# Altium PCB ZYNQ-7000_SOM_Bd.PcbDoc (part 1 of 6) (continued)
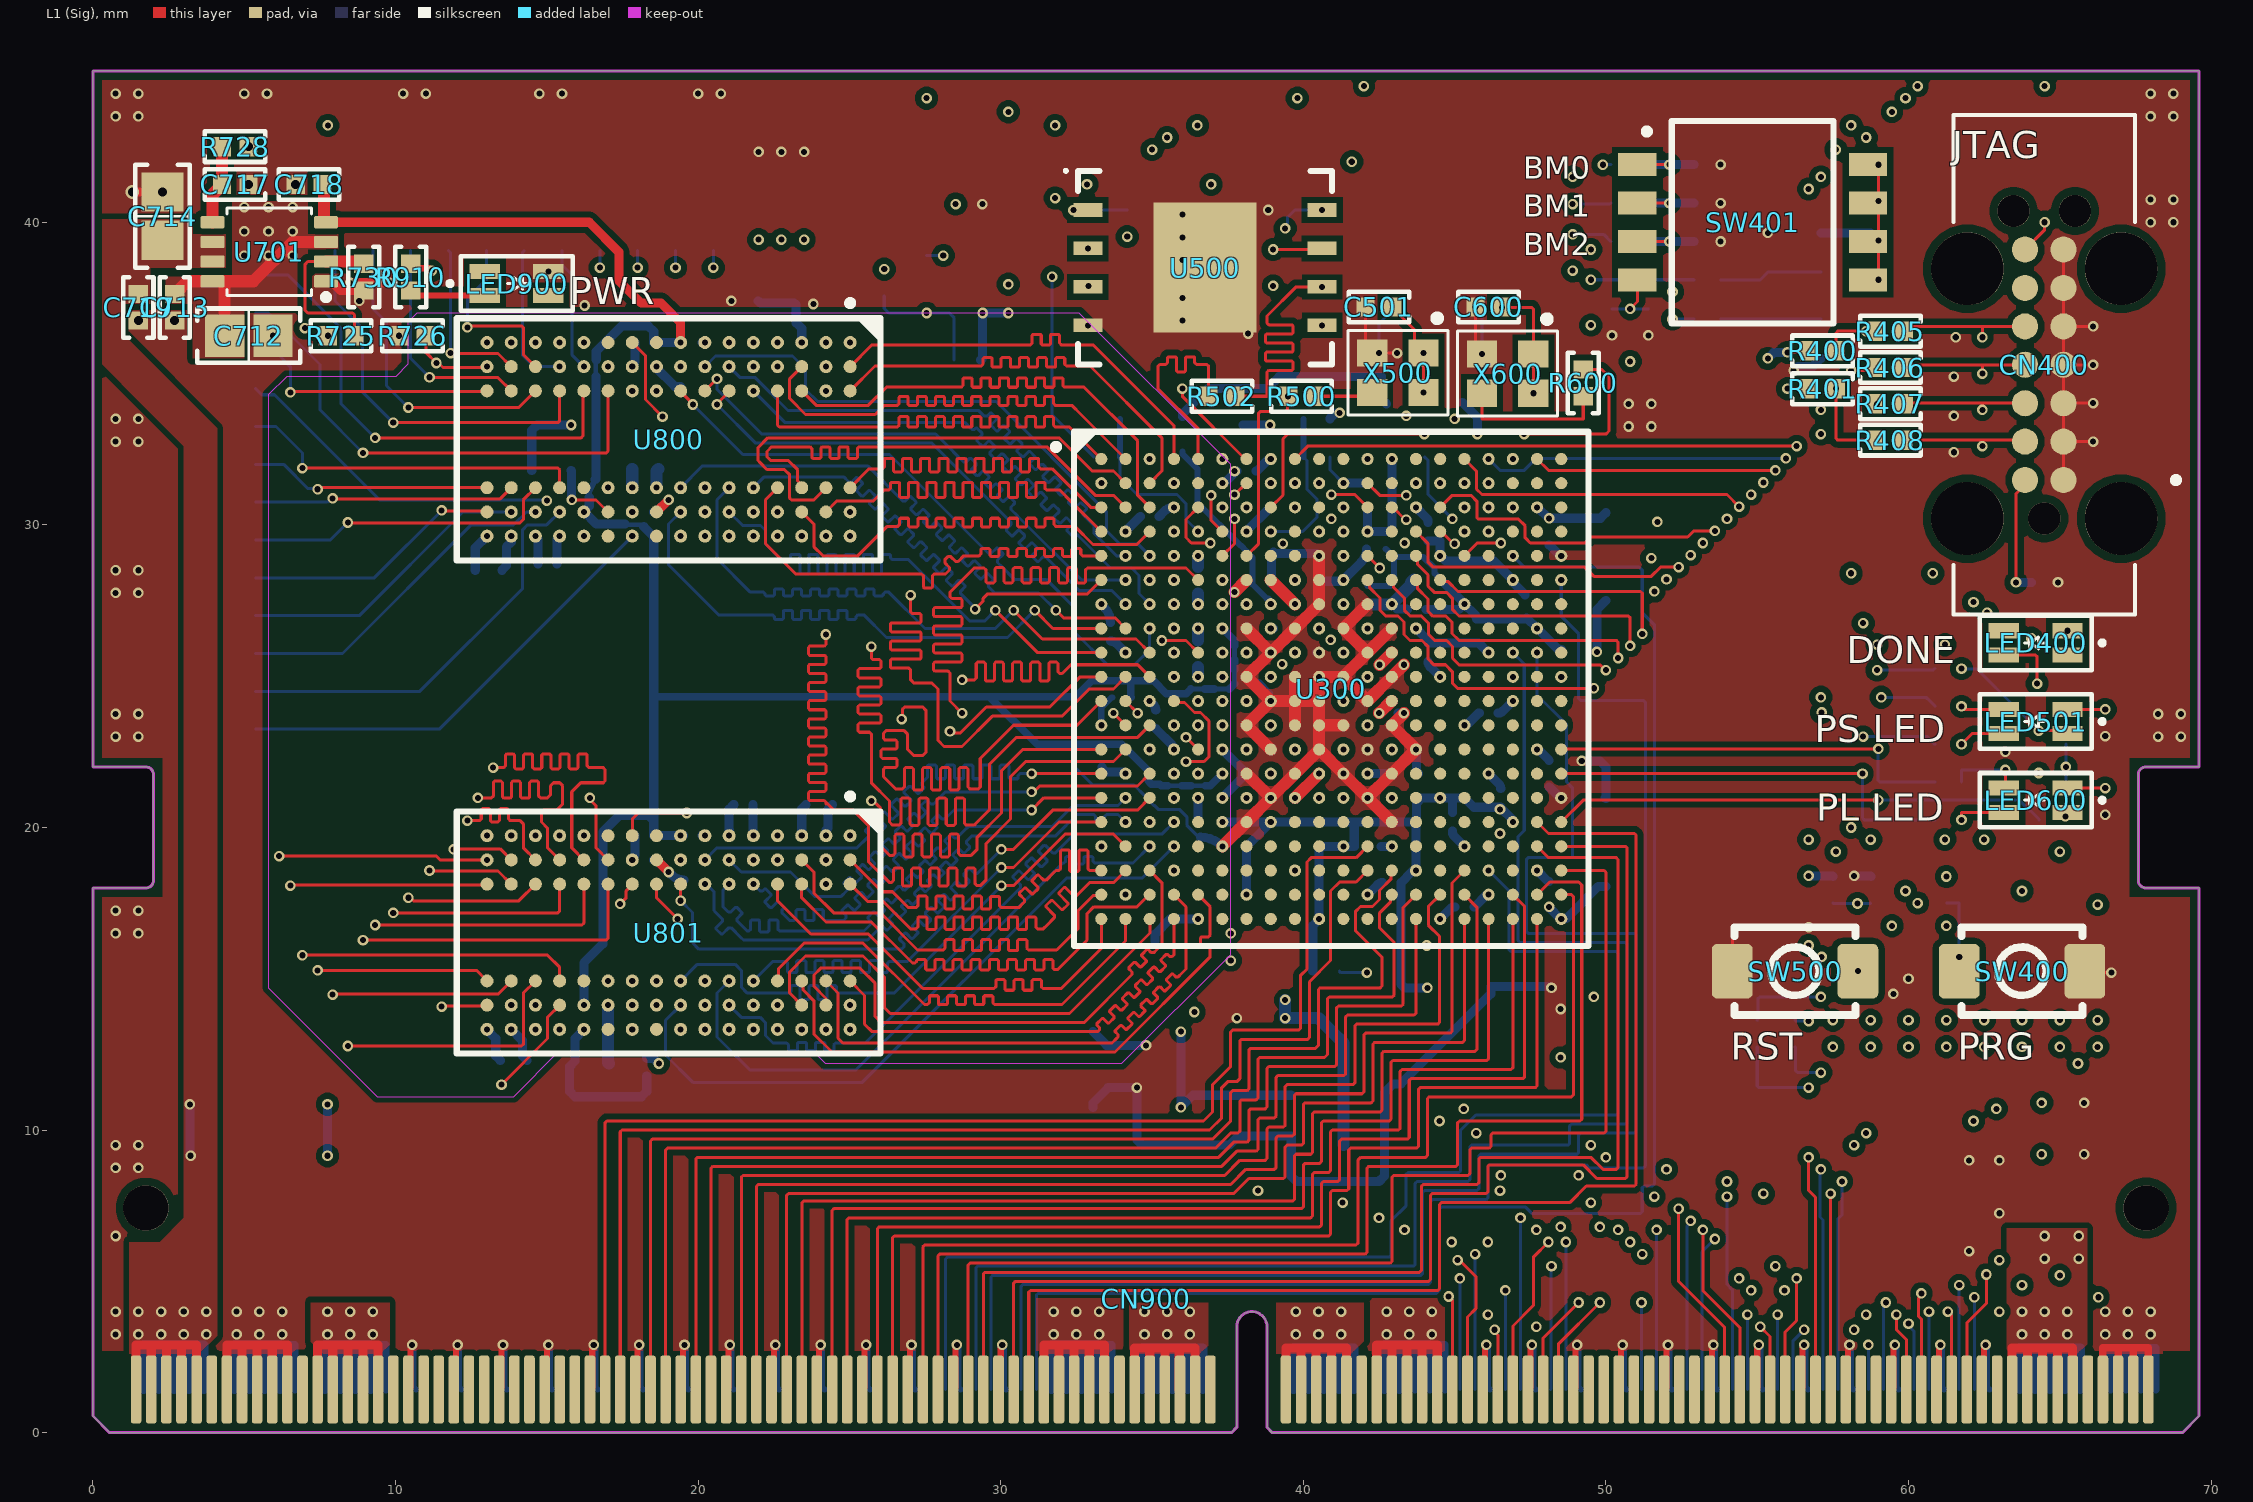
[diagram p0: L1 (Sig) view]
## Classes and differential pairs
differential pair class DIFF_DDR_DQS3: DDR_DQS3
differential pair class DIFF_DDR_DQS2: DDR_DQS2
differential pair class DIFF_DDR_DQS1: DDR_DQS1
differential pair class DIFF_DDR_DQS0: DDR_DQS0
differential pair class DIFF_DDR_CK: DDR_CK
net class QSPI: FLASH_CLK_BM4 PS_QSPI_CLK PS_QSPI_DQ0_BM3 PS_QSPI_DQ1_BM1 PS_QSPI_DQ2_BM2 PS_QSPI_DQ3_BM0 PS_QSPI_NCS
net class PL_B35: PL_B35_L5_P PL_B35_L10_N PL_B35_L14_P PL_B35_L15_N PL_CLK_50MHZ
net class PL_B34: NPUDC PL_B34_IO_25 PL_B34_L2_N PL_B34_L3_N PL_B34_L4_N PL_B34_L4_P PL_B34_L7_N PL_B34_L7_P PL_B34_L8_N PL_B34_L8_P PL_B34_L10_N PL_B34_L12_N PL_B34_L15_N PL_B34_L16_N PL_B34_L16_P PL_B34_L17_N PL_B34_L17_P PL_B34_L18_N PL_B34_L18_P PL_B34_L21_P PL_B34_L22_N PL_B34_L22_P PL_USER_LED_BLUE PL_USER_LED_GREEN PL_USER_LED_RED
net class DDR_BL3: DDR_DM3 DDR_DQ24 DDR_DQ25 DDR_DQ26 DDR_DQ27 DDR_DQ28 DDR_DQ29 DDR_DQ30 DDR_DQ31 DDR_DQS3_N DDR_DQS3_P
net class DDR_BL2: DDR_DM2 DDR_DQ16 DDR_DQ17 DDR_DQ18 DDR_DQ19 DDR_DQ20 DDR_DQ21 DDR_DQ22 DDR_DQ23 DDR_DQS2_N DDR_DQS2_P
net class DDR_BL1: DDR_DM1 DDR_DQ8 DDR_DQ9 DDR_DQ10 DDR_DQ11 DDR_DQ12 DDR_DQ13 DDR_DQ14 DDR_DQ15 DDR_DQS1_N DDR_DQS1_P
net class DDR_BL0: DDR_DM0 DDR_DQ0 DDR_DQ1 DDR_DQ2 DDR_DQ3 DDR_DQ4 DDR_DQ5 DDR_DQ6 DDR_DQ7 DDR_DQS0_N DDR_DQS0_P
net class DDR_ACC: DDR_A0 DDR_A1 DDR_A2 DDR_A3 DDR_A4 DDR_A5 DDR_A6 DDR_A7 DDR_A8 DDR_A9 DDR_A10 DDR_A11 DDR_A12 DDR_A13 DDR_A14 DDR_BA0 DDR_BA1 DDR_BA2 DDR_CK_N DDR_CK_P DDR_CKE DDR_NCAS DDR_NCS DDR_NRAS DDR_NRST DDR_NWE DDR_ODT
differential pair DDR_DQS3: +DDR_DQS3_P -DDR_DQS3_N
differential pair DDR_DQS2: +DDR_DQS2_P -DDR_DQS2_N
differential pair DDR_DQS1: +DDR_DQS1_P -DDR_DQS1_N
differential pair DDR_DQS0: +DDR_DQS0_P -DDR_DQS0_N
differential pair DDR_CK: +DDR_CK_P -DDR_CK_N

## Components (designator, comment, footprint, x,y, rotation, side; value= is the part's Value field where it differs from the comment)
C300 "470nF/6.3V/0603" "CAP 0603 (0201_INCH)" 38.923,27.777 r270 bottom
C301 "4.7uF/10V/1005" "CAP 1005 (0402_INCH)" 38.575,29.1 r180 bottom
C302 "470nF/6.3V/0603" "CAP 0603 (0201_INCH)" 42.4,29.2 r180 bottom
C303 "470nF/6.3V/0603" "CAP 0603 (0201_INCH)" 40.123,25.777 r180 bottom
C304 "100uF/6.3V/3216" "CAP 3216 (1206_INCH) - H1.8MM" 34.5,13.25 r0 bottom
C305 "4.7uF/10V/1005" "CAP 1005 (0402_INCH)" 38.923,21.337 r90 bottom
C306 "470nF/6.3V/0603" "CAP 0603 (0201_INCH)" 42.123,27.667 r270 bottom
C307 "470nF/6.3V/0603" "CAP 0603 (0201_INCH)" 38.123,26.977 r90 bottom
C308 "470nF/6.3V/0603" "CAP 0603 (0201_INCH)" 41.323,25.377 r90 bottom
C309 "4.7uF/10V/1005" "CAP 1005 (0402_INCH)" 40.523,22.217 r270 bottom
C310 "100uF/6.3V/3216" "CAP 3216 (1206_INCH) - H1.8MM" 39.5,13.25 r0 bottom
C311 "100uF/6.3V/3216" "CAP 3216 (1206_INCH) - H1.8MM" 34.5,10.75 r0 bottom
C312 "4.7uF/10V/1005" "CAP 1005 (0402_INCH)" 43.363,21.777 r180 bottom
C313 "470nF/6.3V/0603" "CAP 0603 (0201_INCH)" 38.275,24.6 r270 bottom
C314 "470nF/6.3V/0603" "CAP 0603 (0201_INCH)" 42.833,25.377 r180 bottom
C315 "470nF/6.3V/0603" "CAP 0603 (0201_INCH)" 42.813,23.777 r180 bottom
C316 "470nF/6.3V/0603" "CAP 0603 (0201_INCH)" 39.323,26.577 r180 bottom
C317 "4.7uF/10V/1005" "CAP 1005 (0402_INCH)" 40.523,28.577 r270 bottom
C318 "100uF/6.3V/3216" "CAP 3216 (1206_INCH) - H1.8MM" 42.75,35.45 r270 bottom
C319 "470nF/6.3V/0603" "CAP 0603 (0201_INCH)" 33.623,26.467 r90 bottom
C320 "470nF/6.3V/0603" "CAP 0603 (0201_INCH)" 35.123,23.577 r90 bottom
C321 "470nF/6.3V/0603" "CAP 0603 (0201_INCH)" 34.923,30.277 r180 bottom
C322 "470nF/6.3V/0603" "CAP 0603 (0201_INCH)" 36.523,19.987 r90 bottom
C323 "4.7uF/10V/1005" "CAP 1005 (0402_INCH)" 32.9,22 r0 bottom
C324 "100uF/6.3V/3216" "CAP 3216 (1206_INCH) - H1.8MM" 38,34.75 r270 bottom
C325 "100uF/6.3V/3216" "CAP 3216 (1206_INCH) - H1.8MM" 50,19.5 r270 bottom
C326 "4.7uF/10V/1005" "CAP 1005 (0402_INCH)" 39.323,30.577 r180 bottom
C327 "470nF/6.3V/0603" "CAP 0603 (0201_INCH)" 38.123,31.777 r180 bottom
C328 "470nF/6.3V/0603" "CAP 0603 (0201_INCH)" 43.75,27.2 r180 bottom
C329 "4.7uF/10V/1005" "CAP 1005 (0402_INCH)" 44.1,28.2 r180 bottom
C330 "100uF/6.3V/3216" "CAP 3216 (1206_INCH) - H1.8MM" 36.55,16.25 r0 bottom
C331 "100uF/6.3V/3216" "CAP 3216 (1206_INCH) - H1.8MM" 45.25,35.5 r270 bottom
C332 "4.7uF/10V/1005" "CAP 1005 (0402_INCH)" 42.123,30.937 r270 bottom
C333 "470nF/6.3V/0603" "CAP 0603 (0201_INCH)" 44.123,29.777 r270 bottom
C334 "100uF/6.3V/3216" "CAP 3216 (1206_INCH) - H1.8MM" 44.75,14.75 r180 bottom
C335 "100uF/6.3V/3216" "CAP 3216 (1206_INCH) - H1.8MM" 22.75,40.875 r270 bottom
C336 "4.7uF/10V/1005" "CAP 1005 (0402_INCH)" 48.123,21.777 r90 bottom
C337 "4.7uF/10V/1005" "CAP 1005 (0402_INCH)" 48.123,17.777 r270 bottom
C338 "470nF/6.3V/0603" "CAP 0603 (0201_INCH)" 45.323,17.377 r0 bottom
C339 "470nF/6.3V/0603" "CAP 0603 (0201_INCH)" 42.923,18.177 r0 bottom
C340 "470nF/6.3V/0603" "CAP 0603 (0201_INCH)" 46.523,20.977 r270 bottom
C341 "470nF/6.3V/0603" "CAP 0603 (0201_INCH)" 44.923,20.187 r90 bottom
C342 "470nF/6.3V/0603" "CAP 0603 (0201_INCH)" 44.123,25.787 r90 bottom
C343 "470nF/6.3V/0603" "CAP 0603 (0201_INCH)" 46.123,23.777 r180 bottom
C344 "470nF/6.3V/0603" "CAP 0603 (0201_INCH)" 45.723,26.577 r270 bottom
C345 "470nF/6.3V/0603" "CAP 0603 (0201_INCH)" 47.323,27.367 r90 bottom
C346 "4.7uF/10V/1005" "CAP 1005 (0402_INCH)" 48.523,25.437 r270 bottom
C347 "4.7uF/10V/1005" "CAP 1005 (0402_INCH)" 48.123,29.777 r90 bottom
C348 "100uF/6.3V/3216" "CAP 3216 (1206_INCH) - H1.8MM" 50,28.95 r90 bottom
C400 "100nF/16V/1005" "CAP 1005 (0402_INCH)" 64.5,28.1 r180 bottom
C401 "100nF/16V/1005" "CAP 1005 (0402_INCH)" 50.2,36.7 r90 bottom
C500 "100nF/16V/1005" "CAP 1005 (0402_INCH)" 39.28,40.405 r180 bottom
C501 "100nF/16V/1005" "CAP 1005 (0402_INCH)" 42.498,37.2 r180 top
C502 "100nF/16V/1005" "CAP 1005 (0402_INCH)" 28.95,40.6 r0 bottom
C503 "100nF/16V/1005" "CAP 1005 (0402_INCH)" 58.75,17.94 r90 bottom
C504 "100nF/16V/1005" "CAP 1005 (0402_INCH)" 28.9,35.45 r0 bottom
C505 "4.7uF/10V/1005" "CAP 1005 (0402_INCH)" 66.5,23.46 r90 bottom
C600 "100nF/16V/1005" "CAP 1005 (0402_INCH)" 46.125,37.2 r180 top
C601 "4.7uF/10V/1005" "CAP 1005 (0402_INCH)" 66.5,20.86 r90 bottom
C700 "47nF/16V/0603" "CAP 0603 (0201_INCH)" 20.5,41.76 r270 bottom
C701 "47nF/16V/0603" "CAP 0603 (0201_INCH)" 11.1,41.76 r270 bottom
C702 "47nF/16V/0603" "CAP 0603 (0201_INCH)" 2.63,35.75 r0 bottom
C703 "47nF/16V/0603" "CAP 0603 (0201_INCH)" 2.63,28.25 r0 bottom
C704 "470nF/6.3V/0603" "CAP 0603 (0201_INCH)" 17.3,41.76 r270 bottom
C705 "470nF/6.3V/0603" "CAP 0603 (0201_INCH)" 8,41.76 r270 bottom
C706 "470nF/6.3V/0603" "CAP 0603 (0201_INCH)" 2.63,33.25 r0 bottom
C707 "470nF/6.3V/0603" "CAP 0603 (0201_INCH)" 2.63,25.75 r0 bottom
C708 "4.7uF/10V/1005" "CAP 1005 (0402_INCH)" 14.25,41.89 r270 bottom
C709 "4.7uF/10V/1005" "CAP 1005 (0402_INCH)" 2.5,38.25 r0 bottom
C710 "4.7uF/10V/1005" "CAP 1005 (0402_INCH)" 2.5,30.75 r0 bottom
C711 "4.7uF/10V/1005" "CAP 1005 (0402_INCH)" 2.5,23.25 r0 bottom
C712 "22uF/25V/2012" "CAP 2012 (0805_INCH)" 5.15,36.25 r180 top
C713 "4.7uF/10V/1005" "CAP 1005 (0402_INCH)" 2.7,37.19 r90 top
C714 "22uF/25V/2012" "CAP 2012 (0805_INCH)" 2.3,40.2 r270 top
C715 "47nF/16V/0603" "CAP 0603 (0201_INCH)" 34,24.3 r0 bottom
C716 "47nF/16V/0603" "CAP 0603 (0201_INCH)" 34.923,21.19 r90 bottom
C717 "4.7uF/10V/1005" "CAP 1005 (0402_INCH)" 4.7,41.25 r180 top
C718 "4.7uF/10V/1005" "CAP 1005 (0402_INCH)" 7.14,41.25 r0 top
C719 "4.7uF/10V/1005" "CAP 1005 (0402_INCH)" 1.5,37.19 r270 top
C800 "47nF/16V/0603" "CAP 0603 (0201_INCH)" 18.223,36.027 r180 bottom
C801 "47nF/16V/0603" "CAP 0603 (0201_INCH)" 19.823,36.027 r180 bottom
C802 "4.7uF/10V/1005" "CAP 1005 (0402_INCH)" 13.073,28.5 r0 bottom
C803 "470nF/6.3V/0603" "CAP 0603 (0201_INCH)" 15.023,28.7 r0 bottom
C804 "47nF/16V/0603" "CAP 0603 (0201_INCH)" 24.223,34.827 r90 bottom
C805 "47nF/16V/0603" "CAP 0603 (0201_INCH)" 22.623,30.027 r270 bottom
C806 "47nF/16V/0603" "CAP 0603 (0201_INCH)" 20.223,30.827 r90 bottom
C807 "47nF/16V/0603" "CAP 0603 (0201_INCH)" 18.223,35.227 r180 bottom
C808 "47nF/16V/0603" "CAP 0603 (0201_INCH)" 18.223,30.427 r180 bottom
C809 "47nF/16V/0603" "CAP 0603 (0201_INCH)" 15.023,36.027 r0 bottom
C810 "47nF/16V/0603" "CAP 0603 (0201_INCH)" 15.023,29.627 r0 bottom
C811 "47nF/16V/0603" "CAP 0603 (0201_INCH)" 13.423,36.027 r0 bottom
C812 "47nF/16V/0603" "CAP 0603 (0201_INCH)" 13.423,29.627 r0 bottom
C813 "4.7uF/10V/1005" "CAP 1005 (0402_INCH)" 21.54,37.4 r0 bottom
C814 "470nF/6.3V/0603" "CAP 0603 (0201_INCH)" 23.5,37.3 r180 bottom
C815 "47nF/16V/0603" "CAP 0603 (0201_INCH)" 24.623,36.027 r0 bottom
C816 "47nF/16V/0603" "CAP 0603 (0201_INCH)" 25.023,30.027 r90 bottom
C817 "47nF/16V/0603" "CAP 0603 (0201_INCH)" 23.023,36.027 r0 bottom
C818 "47nF/16V/0603" "CAP 0603 (0201_INCH)" 23.823,29.627 r180 bottom
C819 "47nF/16V/0603" "CAP 0603 (0201_INCH)" 22.223,35.227 r0 bottom
C820 "47nF/16V/0603" "CAP 0603 (0201_INCH)" 21.423,29.627 r0 bottom
C821 "47nF/16V/0603" "CAP 0603 (0201_INCH)" 21.423,36.027 r180 bottom
C822 "47nF/16V/0603" "CAP 0603 (0201_INCH)" 19.423,34.877 r90 bottom
C823 "47nF/16V/0603" "CAP 0603 (0201_INCH)" 19.823,29.627 r180 bottom
C824 "47nF/16V/0603" "CAP 0603 (0201_INCH)" 18.223,19.727 r180 bottom
C825 "47nF/16V/0603" "CAP 0603 (0201_INCH)" 19.823,19.727 r180 bottom
C826 "4.7uF/10V/1005" "CAP 1005 (0402_INCH)" 13.9,12.3 r0 bottom
C827 "470nF/6.3V/0603" "CAP 0603 (0201_INCH)" 18.3,12.1 r90 bottom
C828 "47nF/16V/0603" "CAP 0603 (0201_INCH)" 24.223,18.512 r90 bottom
C829 "47nF/16V/0603" "CAP 0603 (0201_INCH)" 22.623,13.727 r270 bottom
C830 "47nF/16V/0603" "CAP 0603 (0201_INCH)" 20.223,14.527 r90 bottom
C831 "47nF/16V/0603" "CAP 0603 (0201_INCH)" 18.223,18.927 r180 bottom
C832 "47nF/16V/0603" "CAP 0603 (0201_INCH)" 18.213,14.127 r180 bottom
C833 "47nF/16V/0603" "CAP 0603 (0201_INCH)" 15.023,19.727 r0 bottom
C834 "47nF/16V/0603" "CAP 0603 (0201_INCH)" 15.013,13.327 r0 bottom
C835 "47nF/16V/0603" "CAP 0603 (0201_INCH)" 13.423,19.727 r0 bottom
C836 "47nF/16V/0603" "CAP 0603 (0201_INCH)" 13.423,13.327 r0 bottom
C837 "4.7uF/10V/1005" "CAP 1005 (0402_INCH)" 24,20.75 r180 bottom
C838 "470nF/6.3V/0603" "CAP 0603 (0201_INCH)" 21.5,20.75 r180 bottom
C839 "47nF/16V/0603" "CAP 0603 (0201_INCH)" 24.623,19.727 r0 bottom
C840 "47nF/16V/0603" "CAP 0603 (0201_INCH)" 25.023,13.717 r90 bottom
C841 "47nF/16V/0603" "CAP 0603 (0201_INCH)" 23.023,19.727 r0 bottom
C842 "47nF/16V/0603" "CAP 0603 (0201_INCH)" 23.823,13.327 r180 bottom
C843 "47nF/16V/0603" "CAP 0603 (0201_INCH)" 22.223,18.927 r0 bottom
C844 "47nF/16V/0603" "CAP 0603 (0201_INCH)" 21.423,13.327 r0 bottom
C845 "47nF/16V/0603" "CAP 0603 (0201_INCH)" 21.398,19.727 r180 bottom
C846 "47nF/16V/0603" "CAP 0603 (0201_INCH)" 19.523,18.577 r90 bottom
C847 "47nF/16V/0603" "CAP 0603 (0201_INCH)" 19.823,13.327 r180 bottom
C901 "100nF/50V/1608" "CAP 1608 (0603_INCH)" 3.875,10.85 r180 bottom
C903 "100nF/50V/1608" "CAP 1608 (0603_INCH)" 65.325,10.85 r180 bottom
C905 "100nF/50V/1608" "CAP 1608 (0603_INCH)" 42,11.175 r180 bottom
C907 "100nF/50V/1608" "CAP 1608 (0603_INCH)" 7.075,9.15 r0 bottom
C908 "10uF/25V/1608" "CAP 1608 (0603_INCH)" 3.9,9.15 r180 bottom
C909 "10uF/25V/1608" "CAP 1608 (0603_INCH)" 65.325,9.15 r180 bottom
C910 "10uF/25V/1608" "CAP 1608 (0603_INCH)" 42,9.5 r180 bottom
C911 "10uF/25V/1608" "CAP 1608 (0603_INCH)" 7.075,10.85 r0 bottom
C913 "100nF/50V/1608" "CAP 1608 (0603_INCH)" 39.6,10.475 r90 bottom
C914 "10uF/25V/1608" "CAP 1608 (0603_INCH)" 37.9,10.475 r90 bottom
CN400 "TC2070-IDC" CON_TC2070-IDC 64.485,35.29 r90 top locked
CN900 "EDGE-CONNECTOR_SODIMM-260P" CON_EDGE-CONNECTOR_DDR4-SODIMM-260P 1.425,1.425 r0 top locked
ESD400 "CG0402MLU-3.3G" "RES 1005 (0402_inch)" 62,36.2 r0 bottom
ESD401 "CG0402MLU-3.3G" "RES 1005 (0402_inch)" 62,35 r0 bottom
ESD402 "CG0402MLU-3.3G" "RES 1005 (0402_inch)" 62,33.8 r0 bottom
ESD403 "CG0402MLU-3.3G" "RES 1005 (0402_inch)" 62,32.6 r0 bottom
FB300 "BLM15PX121SN1D" "FB 1005 (0402_inch)" 36,33 r90 bottom
LED400 "GREEN/2012" "LED MHT170RGBCT (GREEN)" 64.2,26.1 r180 top
LED501 "RGB/2012" "LED MHT170RGBCT" 64.2,23.5 r180 top
LED600 "RGB/2012" "LED MHT170RGBCT" 64.2,20.9 r180 top
LED900 "GREEN/2012" "LED MHT170RGBCT (GREEN)" 14,37.975 r0 top
Q400 "2N7002" "SOT 23-3 (DIODES INCORPORATED)" 64.25,23.75 r90 bottom
R400 "4.7K/1005" "RES 1005 (0402_inch)" 57.16,35.75 r180 top value=4.7K
R401 "4.7K/1005" "RES 1005 (0402_inch)" 57.16,34.5 r180 top value=4.7K
R402 "4.7K/1005" "RES 1005 (0402_inch)" 64.75,21.5 r180 bottom value=4.7K
R403 "4.7K/1005" "RES 1005 (0402_inch)" 40.75,15.25 r180 bottom value=4.7K
R404 "4.7K/1005" "RES 1005 (0402_inch)" 61.25,17.94 r90 bottom value=4.7K
R405 "22R/1005" "RES 1005 (0402_inch)" 59.4,36.4 r0 top value=22R
R406 "22R/1005" "RES 1005 (0402_inch)" 59.4,35.2 r0 top value=22R
R407 "22R/1005" "RES 1005 (0402_inch)" 59.4,34 r0 top value=22R
R408 "22R/1005" "RES 1005 (0402_inch)" 59.4,32.8 r0 top value=22R
R409 "510R/1005" "RES 1005 (0402_inch)" 64.5,26.25 r180 bottom value=510R
R410 "0R/1608/NC" "RES 1608 (0603_inch)/NC" 57.1,39 r90 bottom value=0R
R411 "0R/1608/NC" "RES 1608 (0603_inch)/NC" 55.35,36.15 r270 bottom value=0R
R412 "20K/1005" "RES 1005 (0402_inch)" 50.6,41.905 r0 bottom value=20K
R413 "20K/1005" "RES 1005 (0402_inch)" 53.35,38.095 r0 bottom value=20K
R414 "20K/1005" "RES 1005 (0402_inch)" 53.35,36.8 r0 bottom value=20K
R415 "20K/1005" "RES 1005 (0402_inch)" 50.6,40.635 r0 bottom value=20K
R416 "20K/1005" "RES 1005 (0402_inch)" 50.6,39.365 r0 bottom value=20K
R417 "1K/1608" "RES 1608 (0603_inch)" 55.35,39 r270 bottom value=1K
R418 "1K/1608" "RES 1608 (0603_inch)" 57.1,36.15 r90 bottom value=1K
R419 "1K/1005" "RES 1005 (0402_inch)" 53.35,41.905 r180 bottom value=1K
R420 "1K/1005" "RES 1005 (0402_inch)" 53.35,40.635 r180 bottom value=1K
R421 "1K/1005" "RES 1005 (0402_inch)" 53.35,39.365 r180 bottom value=1K
R422 "12K/1005" "RES 1005 (0402_inch)" 51.4,36.7 r90 bottom value=12K
R500 "22R/1005" "RES 1005 (0402_inch)" 39.94,34.25 r180 top value=22R
R501 "12K/1005" "RES 1005 (0402_inch)" 34.18,39.965 r270 bottom value=12K
R502 "22R/1005" "RES 1005 (0402_inch)" 37.31,34.25 r0 top value=22R
R503 "120R/1005" "RES 1005 (0402_inch)" 51.7,29.44 r90 bottom value=120R
R504 "12K/1005" "RES 1005 (0402_inch)" 57.5,17.94 r90 bottom value=12K
R505 "4.7K/1005" "RES 1005 (0402_inch)" 26.15,38.01 r90 bottom value=4.7K
R508 "470R/1005" "RES 1005 (0402_inch)" 61.31,24 r180 bottom value=470R
R509 "0R/1005/NC" "RES 1005 (0402_inch)/NC" 44.44,32.25 r0 bottom value=0R
R510 "470R/1005" "RES 1005 (0402_inch)" 61.31,22.75 r180 bottom value=470R
R511 "20K/1005/NC" "RES 1005 (0402_inch)/NC" 40.44,33.5 r0 bottom value=20K
R512 "470R/1005" "RES 1005 (0402_inch)" 61.31,25.25 r180 bottom value=470R
R513 "20K/1005" "RES 1005 (0402_inch)" 40.44,32.25 r0 bottom value=20K
R514 "20K/1005/NC" "RES 1005 (0402_inch)/NC" 33.5,32.25 r180 bottom value=20K
R515 "20K/1005" "RES 1005 (0402_inch)" 33.5,33.5 r180 bottom value=20K
R600 "22R/1005" "RES 1005 (0402_inch)" 49.25,34.69 r90 top value=22R
R601 "470R/1005" "RES 1005 (0402_inch)" 61.31,21.5 r180 bottom value=470R
R602 "470R/1005" "RES 1005 (0402_inch)" 61.31,20.25 r180 bottom value=470R
R603 "470R/1005" "RES 1005 (0402_inch)" 64.75,20.25 r180 bottom value=470R
R604 "1K/1005" "RES 1005 (0402_inch)" 42.123,19.377 r180 bottom value=1K
R700 "100R/1005" "RES 1005 (0402_inch)" 18.25,31.85 r0 bottom value=100R
R701 "49.9R/1005" "RES 1005 (0402_inch)" 4.94,23.25 r180 bottom value=49.9R
R702 "49.9R/1005" "RES 1005 (0402_inch)" 16.75,39.5 r90 bottom value=49.9R
R703 "49.9R/1005" "RES 1005 (0402_inch)" 20.5,39.5 r90 bottom value=49.9R
R704 "49.9R/1005" "RES 1005 (0402_inch)" 18,39.5 r90 bottom value=49.9R
R705 "49.9R/1005" "RES 1005 (0402_inch)" 4.94,37 r180 bottom value=49.9R
R706 "49.9R/1005" "RES 1005 (0402_inch)" 15.5,39.5 r90 bottom value=49.9R
R707 "49.9R/1005" "RES 1005 (0402_inch)" 4.94,24.5 r180 bottom value=49.9R
R708 "49.9R/1005" "RES 1005 (0402_inch)" 4.94,38.25 r180 bottom value=49.9R
R709 "49.9R/1005" "RES 1005 (0402_inch)" 8,39.5 r90 bottom value=49.9R
R710 "49.9R/1005" "RES 1005 (0402_inch)" 4.94,29.5 r180 bottom value=49.9R
R711 "49.9R/1005" "RES 1005 (0402_inch)" 9.25,39.5 r90 bottom value=49.9R
R712 "49.9R/1005" "RES 1005 (0402_inch)" 14.25,39.5 r90 bottom value=49.9R
R713 "49.9R/1005" "RES 1005 (0402_inch)" 4.94,25.75 r180 bottom value=49.9R
R714 "49.9R/1005" "RES 1005 (0402_inch)" 13,39.5 r90 bottom value=49.9R
R715 "49.9R/1005" "RES 1005 (0402_inch)" 4.94,27 r180 bottom value=49.9R
R716 "49.9R/1005" "RES 1005 (0402_inch)" 11.75,39.5 r90 bottom value=49.9R
R717 "49.9R/1005" "RES 1005 (0402_inch)" 4.94,28.25 r180 bottom value=49.9R
R718 "49.9R/1005" "RES 1005 (0402_inch)" 10.5,39.5 r90 bottom value=49.9R
R719 "49.9R/1005" "RES 1005 (0402_inch)" 4.94,34.5 r180 bottom value=49.9R
R720 "49.9R/1005" "RES 1005 (0402_inch)" 4.94,30.75 r180 bottom value=49.9R
R721 "49.9R/1005" "RES 1005 (0402_inch)" 4.94,33.25 r180 bottom value=49.9R
R722 "49.9R/1005" "RES 1005 (0402_inch)" 4.94,35.75 r180 bottom value=49.9R
R723 "49.9R/1005" "RES 1005 (0402_inch)" 4.94,32 r180 bottom value=49.9R
R724 "49.9R/1005" "RES 1005 (0402_inch)" 19.25,39.5 r90 bottom value=49.9R
R725 "12K/1005" "RES 1005 (0402_inch)" 8.2,36.25 r180 top value=12K
R726 "4.7K/1005" "RES 1005 (0402_inch)" 10.56,36.25 r0 top value=4.7K
R727 "100R/1005" "RES 1005 (0402_inch)" 36.523,28.177 r90 bottom value=100R
R728 "1K/1005" "RES 1005 (0402_inch)" 4.7,42.5 r180 top value=1K
R729 "100R/1005" "RES 1005 (0402_inch)" 36.523,25.737 r90 bottom value=100R
R730 "100K/1005" "RES 1005 (0402_inch)" 8.95,38.19 r90 top value=100K
R800 "240R/1608" "RES 1608 (0603_inch)" 15.15,31.8 r0 bottom value=240R
R801 "240R/1608" "RES 1608 (0603_inch)" 16.4,12.1 r0 bottom value=240R
R900 "0R/1005" "RES 1005 (0402_inch)" 61.25,13.19 r270 bottom value=0R
R901 "0R/1005" "RES 1005 (0402_inch)" 57.5,13.19 r270 bottom value=0R
R902 "0R/1005" "RES 1005 (0402_inch)" 60,13.19 r270 bottom value=0R
R903 "0R/1005" "RES 1005 (0402_inch)" 62.5,13.19 r270 bottom value=0R
R904 "0R/1005" "RES 1005 (0402_inch)" 65,13.19 r270 bottom value=0R
R905 "0R/1005" "RES 1005 (0402_inch)" 63.75,13.19 r270 bottom value=0R
R906 "0R/1005" "RES 1005 (0402_inch)" 66.25,13.19 r270 bottom value=0R
R907 "0R/1005" "RES 1005 (0402_inch)" 55,13.19 r270 bottom value=0R
R908 "0R/1005" "RES 1005 (0402_inch)" 56.25,13.19 r270 bottom value=0R
R909 "0R/1005" "RES 1005 (0402_inch)" 58.75,13.19 r270 bottom value=0R
R910 "510R/1005" "RES 1005 (0402_inch)" 10.5,38.19 r90 top value=510R
SW400 "TS-1088-AR02016" SW_TS-1088-AR02016 63.75,15.25 r0 top locked
SW401 "DSHP04TS-S" SW_DSHP04TS-S 54.85,40 r270 top locked
SW500 "TS-1088-AR02016" SW_TS-1088-AR02016 56.25,15.25 r180 top locked
U300 "XC7Z010-1CLG400I" IC_SOC_XC7Z010-1CLG400I 40.923,24.577 r0 top locked
U500 "W25Q128JVEIQ" IC_WSON-8-8X6 36.75,38.5 r0 top locked
U502 "SN74LVC1G07DBVT" "SOT-23-5 (TI DBV PACKAGE)" 28.9,37.95 r180 bottom locked
U701 "BD3539FVM-TR" IC_MSOP-8 5.825,39.025 r180 top locked
U800 "MT41K256M16TW-107 IT:P" "IC_MEM_DDR3L_MT41K256M16TW-107 IT:P" 19.023,32.827 r270 top locked
U801 "MT41K256M16TW-107 IT:P" "IC_MEM_DDR3L_MT41K256M16TW-107 IT:P" 19.023,16.527 r270 top locked
X500 "S2D33.333300B20F30T(33.33MHz)" "OSC SMD_2.5x2.0 (SCTF)" 43.123,35.027 r180 top locked
X600 "S2D50.000000B20F30T(50MHz)" "OSC SMD_2.5x2.0 (SCTF)" 46.75,35 r180 top locked

## Footprints (in the part's own frame and the unit in brackets; to place one, negate y for a bottom-side part, rotate by r counter-clockwise, add the part's x,y. Pads: shape width x height; smd on the part's side, far side on the other; paste and mask are expansions set on the pad)
"CAP 0603 (0201_INCH)" [mm] "Chip Capacitor, 2-Leads, Body 0.60x0.30mm, IPC Medium Density"
  rect 0.4x0.35 smd mask+0.04: 1(-0.31,0) 2(0.31,0)
  silkscreen extent -0.67,-0.33 0.67,0.33, body extent -0.3,-0.15 0.3,0.15, height 0.3
"CAP 1005 (0402_INCH)" [mm] "Chip Capacitor, 2-Leads, Body 1.02x0.51mm, IPC Medium Density"
  rect 0.6x0.64 smd mask+0.04: 1(-0.44,0) 2(0.44,0)
  silkscreen extent -1,-0.5 1,0.5, body extent -0.5,-0.26 0.5,0.26, height 0.52
"CAP 1608 (0603_INCH)" [mm] "Chip Capacitor, 2-Leads, Body 1.60x0.80mm, IPC Medium Density"
  rect 0.9x1 smd mask+0.04: 1(-0.675,0) 2(0.675,0)
  silkscreen extent -1.4,-0.7 1.4,0.7, body extent -0.8,-0.41 0.8,0.41, height 0.82
"CAP 2012 (0805_INCH)" [mm] "Chip Capacitor, 2-Leads, Body 2.00x1.20mm, IPC Medium Density"
  rect 1.3x1.4 smd mask+0.04: 1(-0.8,0) 2(0.8,0)
  silkscreen extent -1.7,-0.9 1.7,0.9, body extent -1,-0.64 1,0.64, height 1.26
"CAP 3216 (1206_INCH) - H1.8MM" [mm] "Chip Capacitor, 2-Leads, Body 3.25x1.60mm, IPC Medium Density"
  rect 1.3x1.8 smd: 1(-1.45,0) 2(1.45,0)
  silkscreen extent -2.37,-1.12 2.37,1.12, body extent -1.6,-0.8 1.6,0.8, height 1.8
CON_EDGE-CONNECTOR_DDR4-SODIMM-260P [mm]
  rrect50% 0.35x2.25 smd mask+0: 1(0,0) 3(0.5,0) 5(1,0) 7(1.5,0) 9(2,0) 11(2.5,0) 13(3,0) 15(3.5,0) 17(4,0) 19(4.5,0) 21(5,0) 23(5.5,0) 25(6,0) 27(6.5,0) 29(7,0) 31(7.5,0) 33(8,0) 35(8.5,0) 37(9,0) 39(9.5,0) 41(10,0) 43(10.5,0) 45(11,0) 47(11.5,0) 49(12,0) 51(12.5,0) 53(13,0) 55(13.5,0) 57(14,0) 59(14.5,0) 61(15,0) 63(15.5,0) 65(16,0) 67(16.5,0) 69(17,0) 71(17.5,0) 73(18,0) 75(18.5,0) 77(19,0) 79(19.5,0) 81(20,0) 83(20.5,0) 85(21,0) 87(21.5,0) 89(22,0) 91(22.5,0) 93(23,0) 95(23.5,0) 97(24,0) 99(24.5,0) 101(25,0) 103(25.5,0) 105(26,0) 107(26.5,0) 109(27,0) 111(27.5,0) 113(28,0) 115(28.5,0) 117(29,0) 119(29.5,0) 121(30,0) 123(30.5,0) 125(31,0) 127(31.5,0) 129(32,0) 131(32.5,0) 133(33,0) 135(33.5,0) 137(34,0) 139(34.5,0) 141(35,0) 143(35.5,0) 145(38,0) 147(38.5,0) 149(39,0) 151(39.5,0) 153(40,0) 155(40.5,0) 157(41,0) 159(41.5,0) 161(42,0) 163(42.5,0) 165(43,0) 167(43.5,0) 169(44,0) 171(44.5,0) 173(45,0) 175(45.5,0) 177(46,0) 179(46.5,0) 181(47,0) 183(47.5,0) 185(48,0) 187(48.5,0) 189(49,0) 191(49.5,0) 193(50,0) 195(50.5,0) 197(51,0) 199(51.5,0) 201(52,0) 203(52.5,0) 205(53,0) 207(53.5,0) 209(54,0) 211(54.5,0) 213(55,0) 215(55.5,0) 217(56,0) 219(56.5,0) 221(57,0) 223(57.5,0) 225(58,0) 227(58.5,0) 229(59,0) 231(59.5,0) 233(60,0) 235(60.5,0) 237(61,0) 239(61.5,0) 241(62,0) 243(62.5,0) 245(63,0) 247(63.5,0) 249(64,0) 251(64.5,0) 253(65,0) 255(65.5,0) 257(66,0) 259(66.5,0)
  rrect50% 0.35x2.25 smd far side mask+0: 2(0.25,0) 4(0.75,0) 6(1.25,0) 8(1.75,0) 10(2.25,0) 12(2.75,0) 14(3.25,0) 16(3.75,0) 18(4.25,0) 20(4.75,0) 22(5.25,0) 24(5.75,0) 26(6.25,0) 28(6.75,0) 30(7.25,0) 32(7.75,0) 34(8.25,0) 36(8.75,0) 38(9.25,0) 40(9.75,0) 42(10.25,0) 44(10.75,0) 46(11.25,0) 48(11.75,0) 50(12.25,0) 52(12.75,0) 54(13.25,0) 56(13.75,0) 58(14.25,0) 60(14.75,0) 62(15.25,0) 64(15.75,0) 66(16.25,0) 68(16.75,0) 70(17.25,0) 72(17.75,0) 74(18.25,0) 76(18.75,0) 78(19.25,0) 80(19.75,0) 82(20.25,0) 84(20.75,0) 86(21.25,0) 88(21.75,0) 90(22.25,0) 92(22.75,0) 94(23.25,0) 96(23.75,0) 98(24.25,0) 100(24.75,0) 102(25.25,0) 104(25.75,0) 106(26.25,0) 108(26.75,0) 110(27.25,0) 112(27.75,0) 114(28.25,0) 116(28.75,0) 118(29.25,0) 120(29.75,0) 122(30.25,0) 124(30.75,0) 126(31.25,0) 128(31.75,0) 130(32.25,0) 132(32.75,0) 134(33.25,0) 136(33.75,0) 138(34.25,0) 140(34.75,0) 142(35.25,0) 144(35.75,0) 146(38.25,0) 148(38.75,0) 150(39.25,0) 152(39.75,0) 154(40.25,0) 156(40.75,0) 158(41.25,0) 160(41.75,0) 162(42.25,0) 164(42.75,0) 166(43.25,0) 168(43.75,0) 170(44.25,0) 172(44.75,0) 174(45.25,0) 176(45.75,0) 178(46.25,0) 180(46.75,0) 182(47.25,0) 184(47.75,0) 186(48.25,0) 188(48.75,0) 190(49.25,0) 192(49.75,0) 194(50.25,0) 196(50.75,0) 198(51.25,0) 200(51.75,0) 202(52.25,0) 204(52.75,0) 206(53.25,0) 208(53.75,0) 210(54.25,0) 212(54.75,0) 214(55.25,0) 216(55.75,0) 218(56.25,0) 220(56.75,0) 222(57.25,0) 224(57.75,0) 226(58.25,0) 228(58.75,0) 230(59.25,0) 232(59.75,0) 234(60.25,0) 236(60.75,0) 238(61.25,0) 240(61.75,0) 242(62.25,0) 244(62.75,0) 246(63.25,0) 248(63.75,0) 250(64.25,0) 252(64.75,0) 254(65.25,0) 256(65.75,0) 258(66.25,0) 260(66.75,0)
  round 1.5 hole 1.5 unplated: MH(0.325,6) MH(66.425,6)
CON_TC2070-IDC [mm]
  round 0.863 smd paste-1: 1(-3.81,-0.635) 2(-3.81,0.635) 3(-2.54,-0.635) 4(-2.54,0.635) 5(-1.27,-0.635) 6(-1.27,0.635) 7(0,-0.635) 8(0,0.635) 9(1.27,-0.635) 10(1.27,0.635) 11(2.54,-0.635) 12(2.54,0.635) 13(3.81,-0.635) 14(3.81,0.635)
  round 2.4 hole 2.4 unplated: MH(-5.08,-2.54) MH(-5.08,2.54) MH(3.175,-2.54) MH(3.175,2.54)
  round 1.067 hole 1.067 unplated: MH(-5.08,0) MH(5.08,-1.016) MH(5.08,1.016)
  silkscreen extent -8.25,-4.45 8.25,3
"FB 1005 (0402_inch)" [mm] "Chip Ferrite Bead, 2-Leads, Body 1.0x0.5mm, IPC Medium Density"
  rect 0.75x0.6 smd: 1(-0.575,0) 2(0.575,0)
  silkscreen extent -1.14,-0.51 1.14,0.51, body extent -0.5,-0.25 0.5,0.25, height 0.35
"IC_MEM_DDR3L_MT41K256M16TW-107 IT:P" [mm]
  round 0.43 smd mask+0.038: A1(-3.2,6) A2(-2.4,6) A3(-1.6,6) A7(1.6,6) A8(2.4,6) A9(3.2,6) B1(-3.2,5.2) B2(-2.4,5.2) B3(-1.6,5.2) B7(1.6,5.2) B8(2.4,5.2) B9(3.2,5.2) C1(-3.2,4.4) C2(-2.4,4.4) C3(-1.6,4.4) C7(1.6,4.4) C8(2.4,4.4) C9(3.2,4.4) D1(-3.2,3.6) D2(-2.4,3.6) D3(-1.6,3.6) D7(1.6,3.6) D8(2.4,3.6) D9(3.2,3.6) E1(-3.2,2.8) E2(-2.4,2.8) E3(-1.6,2.8) E7(1.6,2.8) E8(2.4,2.8) E9(3.2,2.8) F1(-3.2,2) F2(-2.4,2) F3(-1.6,2) F7(1.6,2) F8(2.4,2) F9(3.2,2) G1(-3.2,1.2) G2(-2.4,1.2) G3(-1.6,1.2) G7(1.6,1.2) G8(2.4,1.2) G9(3.2,1.2) H1(-3.2,0.4) H2(-2.4,0.4) H3(-1.6,0.4) H7(1.6,0.4) H8(2.4,0.4) H9(3.2,0.4) J1(-3.2,-0.4) J2(-2.4,-0.4) J3(-1.6,-0.4) J7(1.6,-0.4) J8(2.4,-0.4) J9(3.2,-0.4) K1(-3.2,-1.2) K2(-2.4,-1.2) K3(-1.6,-1.2) K7(1.6,-1.2) K8(2.4,-1.2) K9(3.2,-1.2) L1(-3.2,-2) L2(-2.4,-2) L3(-1.6,-2) L7(1.6,-2) L8(2.4,-2) L9(3.2,-2) M1(-3.2,-2.8) M2(-2.4,-2.8) M3(-1.6,-2.8) M7(1.6,-2.8) M8(2.4,-2.8) M9(3.2,-2.8) N1(-3.2,-3.6) N2(-2.4,-3.6) N3(-1.6,-3.6) N7(1.6,-3.6) N8(2.4,-3.6) N9(3.2,-3.6) P1(-3.2,-4.4) P2(-2.4,-4.4) P3(-1.6,-4.4) P7(1.6,-4.4) P8(2.4,-4.4) P9(3.2,-4.4) R1(-3.2,-5.2) R2(-2.4,-5.2) R3(-1.6,-5.2) R7(1.6,-5.2) R8(2.4,-5.2) R9(3.2,-5.2) T1(-3.2,-6) T2(-2.4,-6) T3(-1.6,-6) T7(1.6,-6) T8(2.4,-6) T9(3.2,-6)
  silkscreen extent -4.6,-7 4,7, body extent -4,-7 4,7, height 1.2
IC_MSOP-8 [mm] "Footprint for BD3539FVM-TR (ROHM) (24.03.09)"
  rrect25% 0.8x0.4 smd mask+0.038: 1(-1.875,0.975) 2(-1.875,0.325) 3(-1.875,-0.325) 4(-1.875,-0.975) 5(1.875,-0.975) 6(1.875,-0.325) 7(1.875,0.325) 8(1.875,0.975)
  silkscreen extent -1.92,-1.45 1.4,1.55, body extent -2,-1.5 2,1.5, height 0.9
IC_SOC_XC7Z010-1CLG400I [mm]
  round 0.4 smd mask+0.038: A1(-7.6,7.6) A2(-6.8,7.6) A3(-6,7.6) A4(-5.2,7.6) A5(-4.4,7.6) A6(-3.6,7.6) A7(-2.8,7.6) A8(-2,7.6) A9(-1.2,7.6) A10(-0.4,7.6) A11(0.4,7.6) A12(1.2,7.6) A13(2,7.6) A14(2.8,7.6) A15(3.6,7.6) A16(4.4,7.6) A17(5.2,7.6) A18(6,7.6) A19(6.8,7.6) A20(7.6,7.6) B1(-7.6,6.8) B2(-6.8,6.8) B3(-6,6.8) B4(-5.2,6.8) B5(-4.4,6.8) B6(-3.6,6.8) B7(-2.8,6.8) B8(-2,6.8) B9(-1.2,6.8) B10(-0.4,6.8) B11(0.4,6.8) B12(1.2,6.8) B13(2,6.8) B14(2.8,6.8) B15(3.6,6.8) B16(4.4,6.8) B17(5.2,6.8) B18(6,6.8) B19(6.8,6.8) B20(7.6,6.8) C1(-7.6,6) C2(-6.8,6) C3(-6,6) C4(-5.2,6) C5(-4.4,6) C6(-3.6,6) C7(-2.8,6) C8(-2,6) C9(-1.2,6) C10(-0.4,6) C11(0.4,6) C12(1.2,6) C13(2,6) C14(2.8,6) C15(3.6,6) C16(4.4,6) C17(5.2,6) C18(6,6) C19(6.8,6) C20(7.6,6) D1(-7.6,5.2) D2(-6.8,5.2) D3(-6,5.2) D4(-5.2,5.2) D5(-4.4,5.2) D6(-3.6,5.2) D7(-2.8,5.2) D8(-2,5.2) D9(-1.2,5.2) D10(-0.4,5.2) D11(0.4,5.2) D12(1.2,5.2) D13(2,5.2) D14(2.8,5.2) D15(3.6,5.2) D16(4.4,5.2) D17(5.2,5.2) D18(6,5.2) D19(6.8,5.2) D20(7.6,5.2) E1(-7.6,4.4) E2(-6.8,4.4) E3(-6,4.4) E4(-5.2,4.4) E5(-4.4,4.4) E6(-3.6,4.4) E7(-2.8,4.4) E8(-2,4.4) E9(-1.2,4.4) E10(-0.4,4.4) E11(0.4,4.4) E12(1.2,4.4) E13(2,4.4) E14(2.8,4.4) E15(3.6,4.4) E16(4.4,4.4) E17(5.2,4.4) E18(6,4.4) E19(6.8,4.4) E20(7.6,4.4) F1(-7.6,3.6) F2(-6.8,3.6) F3(-6,3.6) F4(-5.2,3.6) F5(-4.4,3.6) F6(-3.6,3.6) F7(-2.8,3.6) F8(-2,3.6) F9(-1.2,3.6) F10(-0.4,3.6) F11(0.4,3.6) F12(1.2,3.6) F13(2,3.6) F14(2.8,3.6) F15(3.6,3.6) F16(4.4,3.6) F17(5.2,3.6) F18(6,3.6) F19(6.8,3.6) F20(7.6,3.6) G1(-7.6,2.8) G2(-6.8,2.8) G3(-6,2.8) G4(-5.2,2.8) G5(-4.4,2.8) G6(-3.6,2.8) G7(-2.8,2.8) G8(-2,2.8) G9(-1.2,2.8) G10(-0.4,2.8) G11(0.4,2.8) G12(1.2,2.8) G13(2,2.8) G14(2.8,2.8) G15(3.6,2.8) G16(4.4,2.8) G17(5.2,2.8) G18(6,2.8) G19(6.8,2.8) G20(7.6,2.8) H1(-7.6,2) H2(-6.8,2) H3(-6,2) H4(-5.2,2) H5(-4.4,2) H6(-3.6,2) H7(-2.8,2) H8(-2,2) H9(-1.2,2) H10(-0.4,2) H11(0.4,2) H12(1.2,2) H13(2,2) H14(2.8,2) H15(3.6,2) H16(4.4,2) H17(5.2,2) H18(6,2) H19(6.8,2) H20(7.6,2) J1(-7.6,1.2) J2(-6.8,1.2) J3(-6,1.2) J4(-5.2,1.2) J5(-4.4,1.2) J6(-3.6,1.2) J7(-2.8,1.2) J8(-2,1.2) J9(-1.2,1.2) J10(-0.4,1.2) J11(0.4,1.2) J12(1.2,1.2) J13(2,1.2) J14(2.8,1.2) J15(3.6,1.2) J16(4.4,1.2) J17(5.2,1.2) J18(6,1.2) J19(6.8,1.2) J20(7.6,1.2) K1(-7.6,0.4) K2(-6.8,0.4) K3(-6,0.4) K4(-5.2,0.4) K5(-4.4,0.4) K6(-3.6,0.4) K7(-2.8,0.4) K8(-2,0.4) K9(-1.2,0.4) K10(-0.4,0.4) K11(0.4,0.4) K12(1.2,0.4) K13(2,0.4) K14(2.8,0.4) K15(3.6,0.4) K16(4.4,0.4) K17(5.2,0.4) K18(6,0.4) K19(6.8,0.4) K20(7.6,0.4) L1(-7.6,-0.4) L2(-6.8,-0.4) L3(-6,-0.4) L4(-5.2,-0.4) L5(-4.4,-0.4) L6(-3.6,-0.4) L7(-2.8,-0.4) L8(-2,-0.4) L9(-1.2,-0.4) L10(-0.4,-0.4) L11(0.4,-0.4) L12(1.2,-0.4) L13(2,-0.4) L14(2.8,-0.4) L15(3.6,-0.4) L16(4.4,-0.4) L17(5.2,-0.4) L18(6,-0.4) L19(6.8,-0.4) L20(7.6,-0.4) M1(-7.6,-1.2) M2(-6.8,-1.2) M3(-6,-1.2) M4(-5.2,-1.2) M5(-4.4,-1.2) M6(-3.6,-1.2) M7(-2.8,-1.2) M8(-2,-1.2) M9(-1.2,-1.2) M10(-0.4,-1.2) M11(0.4,-1.2) M12(1.2,-1.2) M13(2,-1.2) M14(2.8,-1.2) M15(3.6,-1.2) M16(4.4,-1.2) M17(5.2,-1.2) M18(6,-1.2) M19(6.8,-1.2) M20(7.6,-1.2) N1(-7.6,-2) N2(-6.8,-2) N3(-6,-2) N4(-5.2,-2) N5(-4.4,-2) N6(-3.6,-2) N7(-2.8,-2) N8(-2,-2) N9(-1.2,-2) N10(-0.4,-2) N11(0.4,-2) N12(1.2,-2) N13(2,-2) N14(2.8,-2) N15(3.6,-2) N16(4.4,-2) N17(5.2,-2) N18(6,-2) N19(6.8,-2) N20(7.6,-2) P1(-7.6,-2.8) P2(-6.8,-2.8) P3(-6,-2.8) P4(-5.2,-2.8) P5(-4.4,-2.8) P6(-3.6,-2.8) P7(-2.8,-2.8) P8(-2,-2.8) P9(-1.2,-2.8) P10(-0.4,-2.8) P11(0.4,-2.8) P12(1.2,-2.8) P13(2,-2.8) P14(2.8,-2.8) P15(3.6,-2.8) P16(4.4,-2.8) P17(5.2,-2.8) P18(6,-2.8) P19(6.8,-2.8) P20(7.6,-2.8) R1(-7.6,-3.6) R2(-6.8,-3.6) R3(-6,-3.6) R4(-5.2,-3.6) R5(-4.4,-3.6) R6(-3.6,-3.6) R7(-2.8,-3.6) R8(-2,-3.6) R9(-1.2,-3.6) R10(-0.4,-3.6) R11(0.4,-3.6) R12(1.2,-3.6) R13(2,-3.6) R14(2.8,-3.6) R15(3.6,-3.6) R16(4.4,-3.6) R17(5.2,-3.6) R18(6,-3.6) R19(6.8,-3.6) R20(7.6,-3.6) T1(-7.6,-4.4) T2(-6.8,-4.4) T3(-6,-4.4) T4(-5.2,-4.4) T5(-4.4,-4.4) T6(-3.6,-4.4) T7(-2.8,-4.4) T8(-2,-4.4) T9(-1.2,-4.4) T10(-0.4,-4.4) T11(0.4,-4.4) T12(1.2,-4.4) T13(2,-4.4) T14(2.8,-4.4) T15(3.6,-4.4) T16(4.4,-4.4) T17(5.2,-4.4) T18(6,-4.4) T19(6.8,-4.4) T20(7.6,-4.4) U1(-7.6,-5.2) U2(-6.8,-5.2) U3(-6,-5.2) U4(-5.2,-5.2) U5(-4.4,-5.2) U6(-3.6,-5.2) U7(-2.8,-5.2) U8(-2,-5.2) U9(-1.2,-5.2) U10(-0.4,-5.2) U11(0.4,-5.2) U12(1.2,-5.2) U13(2,-5.2) U14(2.8,-5.2) U15(3.6,-5.2) U16(4.4,-5.2) U17(5.2,-5.2) U18(6,-5.2) U19(6.8,-5.2) U20(7.6,-5.2) V1(-7.6,-6) V2(-6.8,-6) V3(-6,-6) V4(-5.2,-6) V5(-4.4,-6) V6(-3.6,-6) V7(-2.8,-6) V8(-2,-6) V9(-1.2,-6) V10(-0.4,-6) V11(0.4,-6) V12(1.2,-6) V13(2,-6) V14(2.8,-6) V15(3.6,-6) V16(4.4,-6) V17(5.2,-6) V18(6,-6) V19(6.8,-6) V20(7.6,-6) W1(-7.6,-6.8) W2(-6.8,-6.8) W3(-6,-6.8) W4(-5.2,-6.8) W5(-4.4,-6.8) W6(-3.6,-6.8) W7(-2.8,-6.8) W8(-2,-6.8) W9(-1.2,-6.8) W10(-0.4,-6.8) W11(0.4,-6.8) W12(1.2,-6.8) W13(2,-6.8) W14(2.8,-6.8) W15(3.6,-6.8) W16(4.4,-6.8) W17(5.2,-6.8) W18(6,-6.8) W19(6.8,-6.8) W20(7.6,-6.8) Y1(-7.6,-7.6) Y2(-6.8,-7.6) Y3(-6,-7.6) Y4(-5.2,-7.6) Y5(-4.4,-7.6) Y6(-3.6,-7.6) Y7(-2.8,-7.6) Y8(-2,-7.6) Y9(-1.2,-7.6) Y10(-0.4,-7.6) Y11(0.4,-7.6) Y12(1.2,-7.6) Y13(2,-7.6) Y14(2.8,-7.6) Y15(3.6,-7.6) Y16(4.4,-7.6) Y17(5.2,-7.6) Y18(6,-7.6) Y19(6.8,-7.6) Y20(7.6,-7.6)
  silkscreen extent -9.15,-8.5 8.5,8.5, body extent -8.5,-8.5 8.5,8.5, height 1.6
IC_WSON-8-8X6 [mm] "8-Pad WSON 8x6-mm (Package Code E) (Winbond)"
  rect 0.95x0.45 smd: 1(-3.87,1.905) 2(-3.87,0.635) 3(-3.87,-0.635) 4(-3.87,-1.905) 5(3.87,-1.905) 6(3.87,-0.635) 7(3.87,0.635) 8(3.87,1.905)
  rect 3.4x4.3 smd paste-1.7: 9(0,0)
  silkscreen extent -4.65,-3.2 4.2,3.25, body extent -4.05,-3.05 4.05,3.05, height 0.8
"LED MHT170RGBCT" [mm] "Colorless transparence -30占쏙옙~+85占쏙옙 Positive post Common anode RGB 120占쏙옙 0805  Light Emitting Diodes (LED) ROHS"
  rect 1x0.5 smd mask+0.04: 1(-1.05,0.4) 2(1.05,0.4) 3(1.05,-0.4) 4(-1.05,-0.4)
  silkscreen extent -2.25,-0.9 1.85,0.9, body extent -1,-0.62 1,0.62, height 0.9
"LED MHT170RGBCT (GREEN)" [mm] "Colorless transparence -30占쏙옙~+85占쏙옙 Positive post Common anode RGB 120占쏙옙 0805  Light Emitting Diodes (LED) ROHS"
  rect 1x0.5 smd mask+0.04: 1(-1.05,0.4) 2(1.05,0.4) 3(1.05,-0.4) 4(-1.05,-0.4)
  silkscreen extent -2.25,-0.9 1.85,0.9, body extent -1,-0.62 1,0.62, height 0.9
"OSC SMD_2.5x2.0 (SCTF)" [mm] "SMD Oscillator_2.5x2.0 (SCTF)"
  rect 1x0.9 smd: 1(-0.85,-0.65) 2(0.85,-0.65) 3(0.85,0.65) 4(-0.85,0.65)
  silkscreen extent -1.65,-1.9 1.65,1.4, body extent -1.25,-1 1.25,1, height 0.9
"RES 1005 (0402_inch)" [mm] "Chip Resistor, 2-Leads, Body 1.0x0.5mm, IPC Medium Density"
  rect 0.6x0.64 smd mask+0.038: 1(-0.44,0) 2(0.44,0)
  silkscreen extent -1,-0.51 1,0.51, body extent -0.5,-0.25 0.5,0.25, height 0.35
"RES 1005 (0402_inch)/NC" [mm] "Chip Resistor, 2-Leads, Body 1.0x0.5mm, IPC Medium Density"
  rect 0.6x0.64 smd mask+0.038: 1(-0.44,0) 2(0.44,0)
  silkscreen extent -1,-0.51 1,0.51
"RES 1608 (0603_inch)" [mm] "Chip Resistor, 2-Leads, Body 1.60x0.80mm, IPC Medium Density"
  rect 0.85x0.95 smd: 1(-0.65,0) 2(0.65,0)
  silkscreen extent -1.27,-0.7 1.27,0.7, body extent -0.8,-0.4 0.8,0.4, height 0.45
"RES 1608 (0603_inch)/NC" [mm] "Chip Resistor, 2-Leads, Body 1.60x0.80mm, IPC Medium Density"
  rect 0.85x0.95 smd: 1(-0.65,0) 2(0.65,0)
  silkscreen extent -1.27,-0.7 1.27,0.7
"SOT 23-3 (DIODES INCORPORATED)" [mm] "SOT23, 3-Leads, Body 2.90x2.40mm, Pitch 0.95mm, IPC Medium Density"
  rect 0.9x0.8 smd: 1(-1,0.95) 2(-1,-0.95) 3(1,0)
  silkscreen extent -0.7,-1.45 0.7,1.45, body extent -1.41,-1.45 1.41,1.45, height 1.5
"SOT-23-5 (TI DBV PACKAGE)" [mm] "SOT23, 5-Leads, Body 2.90x2.80mm, Pitch 0.95mm, IPC Medium Density"
  rect 1x0.55 smd: 1(-1.35,0.95) 2(-1.35,0) 3(-1.35,-0.95) 4(1.35,-0.95) 5(1.35,0.95)
  silkscreen extent -1.48,-1.55 0.5,1.9, body extent -1.44,-1.42 1.39,1.48, height 1.5
SW_DSHP04TS-S [mm] "SMD  DIP Switches ROHS"
  rect 0.76x1.27 smd mask+0.038: 1(-1.905,-3.81) 2(-0.635,-3.81) 3(0.635,-3.81) 4(1.905,-3.81) 5(1.905,3.81) 6(0.635,3.81) 7(-0.635,3.81) 8(-1.905,3.81)
  silkscreen extent -3.34,-3.55 3.34,2.68, body extent -3.3,-2.8 3.3,2.8, height 2.54
SW_TS-1088-AR02016 [mm] "NO 50mA 100M占쏙옙 100000 Times 12V 160gf@占쏙옙50gf Brick nogging SPST SMD  Tactile Switches ROHS"
  rrect25% 1.35x1.8 smd mask+0.038: 1(-2.075,0) 2(2.075,0)
  silkscreen extent -2,-1.45 2,1.45, body extent -2.5,-1.5 2.5,1.5, height 1.93